# Altium PCB higgs.PcbDoc (part 20 of 25)
Units mm, origin at the board's own origin, x right, y up, seen from the top; angles counter-clockwise.
Board outline 160 x 160 mm, 15 copper layers (TOP, P1(GND), S1(V), P2(GND), S2(H), P3(GND), S3(V12/V2V5), S4(VDDR), P4(GND), S5(V), P5(GND), S6(H), P6(GND), P1(GND) (Plane1), BOT), stack 3.262 mm thick; 1283 components, 2419 nets, 11066 pads, 5487 vias.
Unrouted connection lines stored in the file: 239.
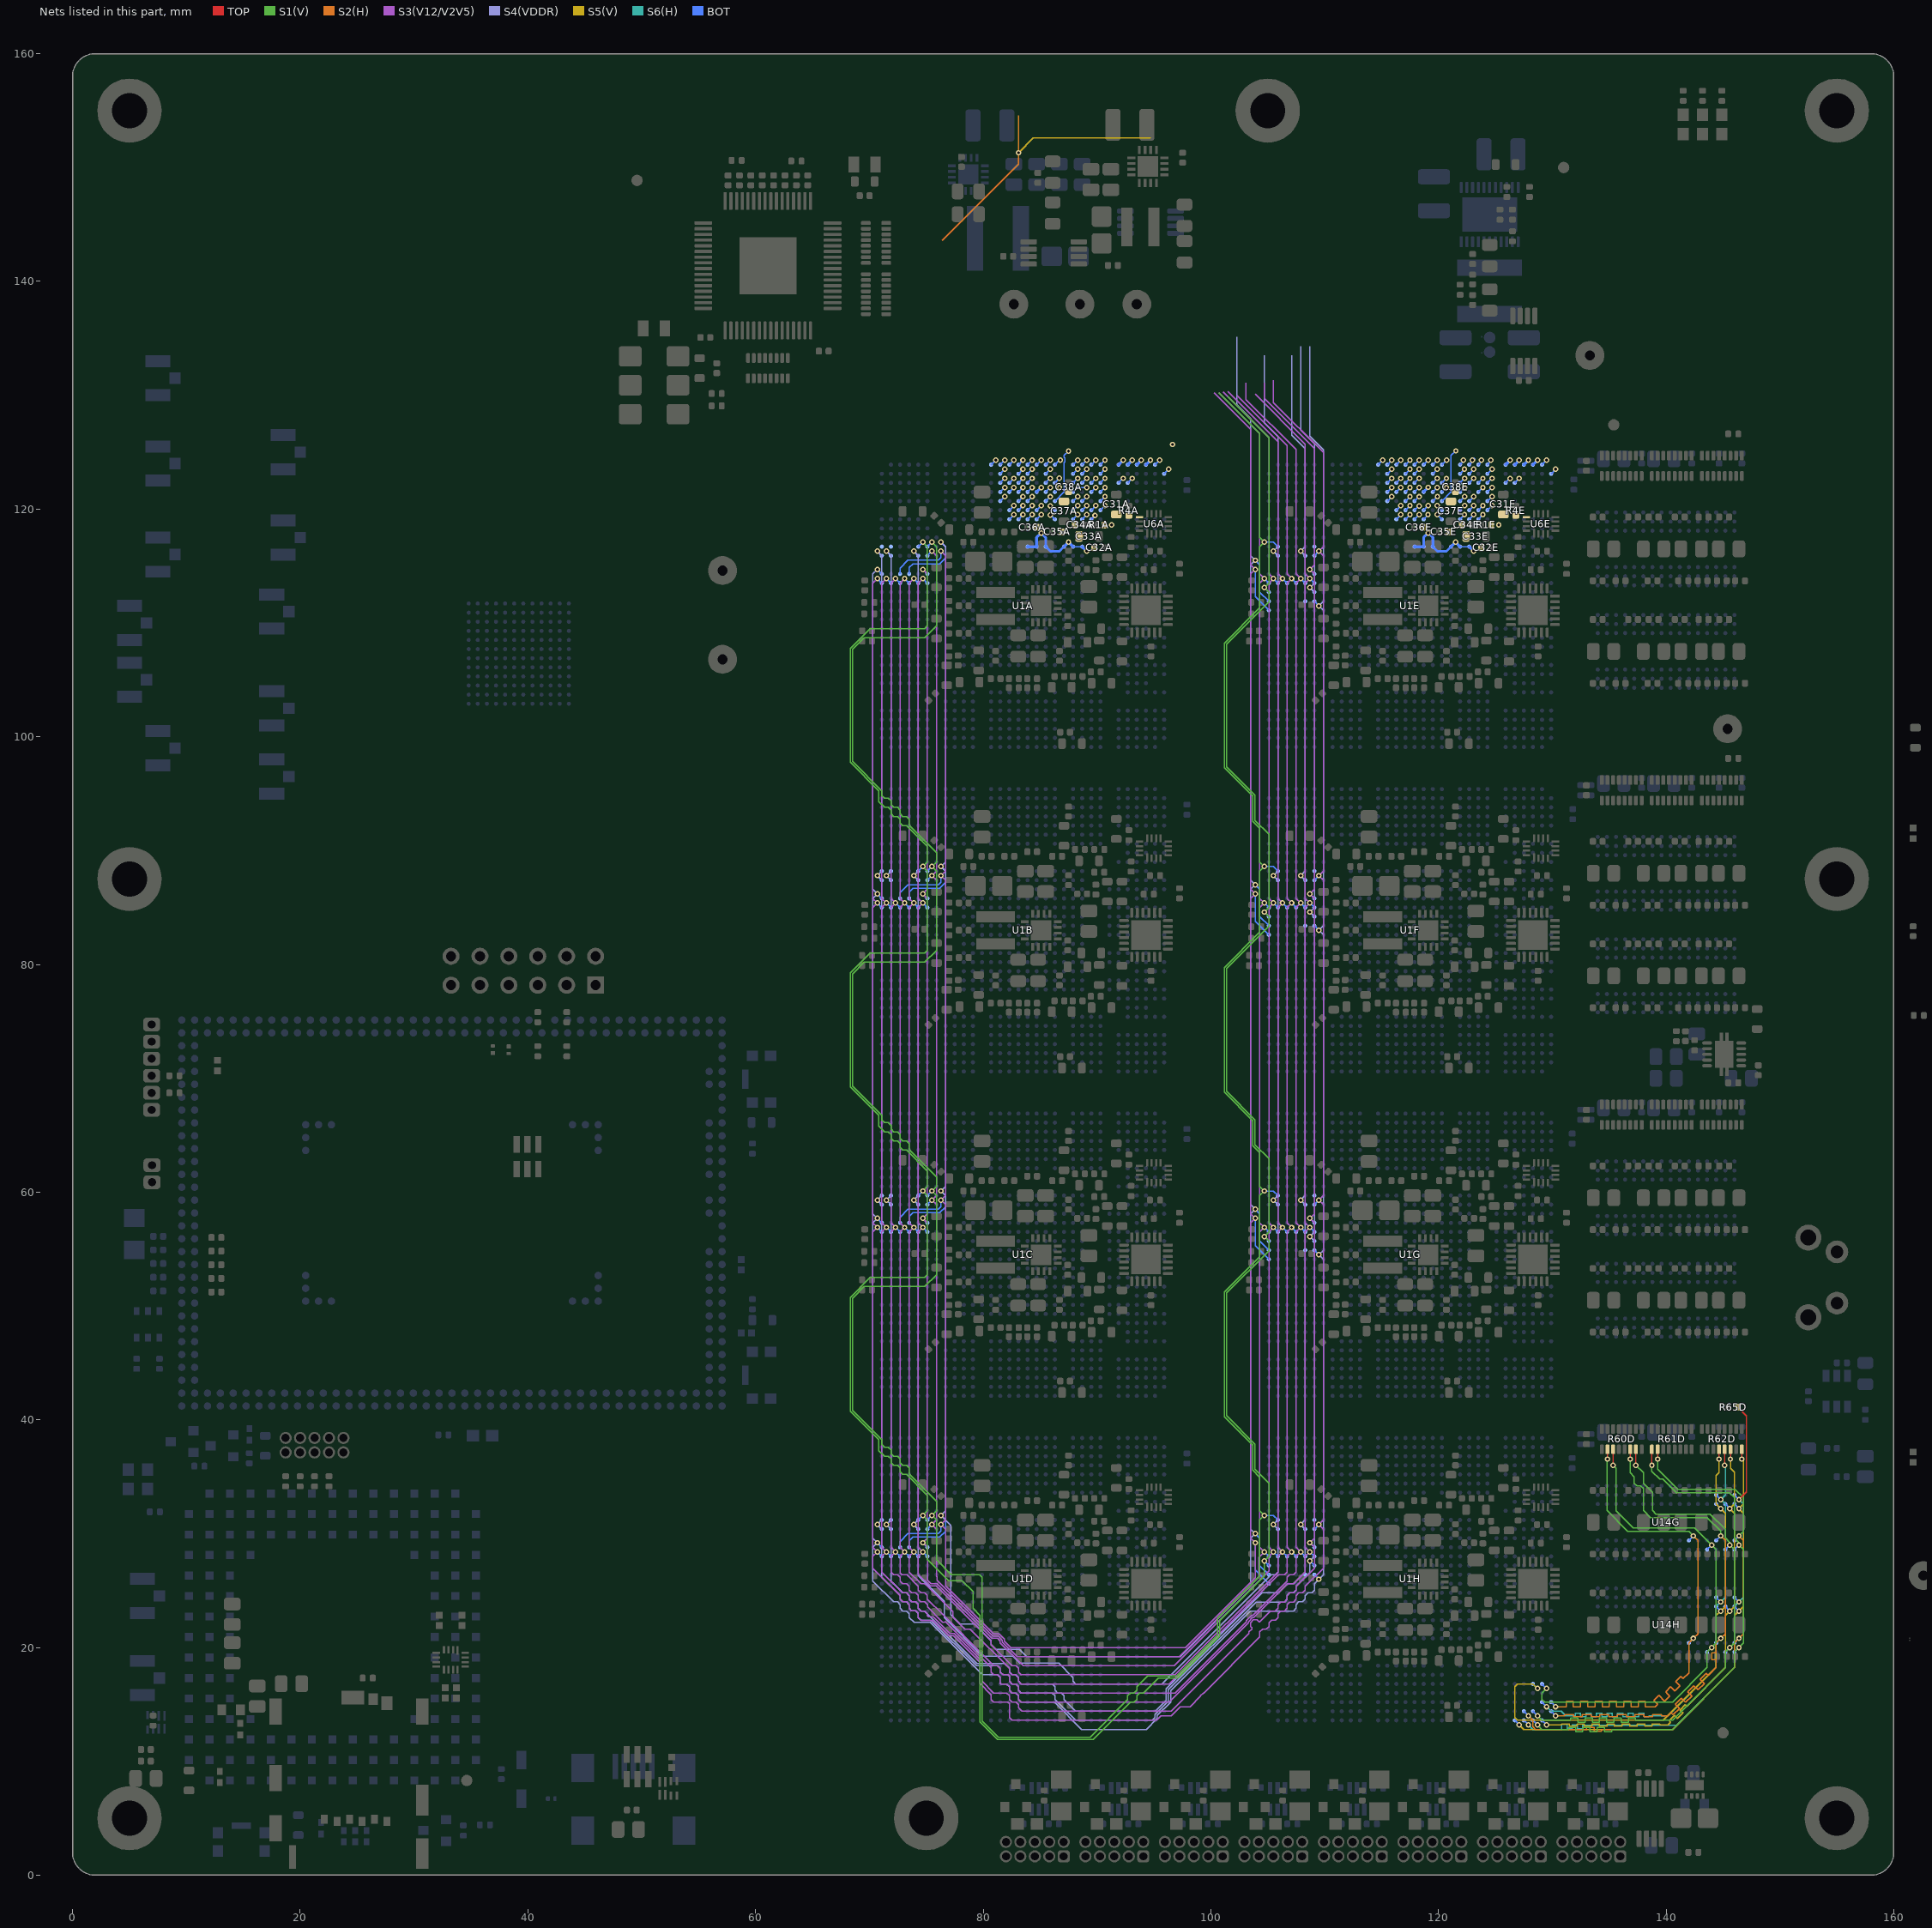
[diagram p33: the nets of this part, all layers, seen from the top]

## Via types
v1: diameter 0.483, hole 0.254, TOP to BOT, tented both sides, 5146 vias
v2: diameter 0.457, hole 0.254, TOP to BOT, tented both sides, 278 vias
v3: diameter 0.5, hole 0.25, TOP to BOT, 50 vias
v4: diameter 0.483/0/0/0/0.483/0/0/0.483 (per signal layer), hole 0.254, TOP to BOT, tented both sides, 7 vias
v5: diameter 0.483, hole 0.254, TOP to BOT, tented bottom, 5 vias
v6: diameter 0.483, hole 0.254, TOP to BOT, 1 vias

## Nets (pads, with @x,y where several pads share a name; then routed paths per layer and width w, separated by ;. In a path a pad name is that pad's centre, name@x,y a point inside that pad or via, vN(x,y) a via of type N, cw(c..) or ccw(c..) an arc to the next point about the centre after c; other vN are vias at no path point) (continued)
IL34_33.TB.G13.D1_N: R62D.4 U1H.AK28 U14G.P3 U14H.P3 | length 46.3
  TOP w0.102: v1(144.65,36.55) R62D.4@144.65,37.405
  S5(V) w0.102: v1(128.7,16.4) 128.301,16.799 126.935,16.799 126.701,16.565 126.701,13.835 126.935,13.601 127.699,13.601 ; v1(144.65,36.55) 144.65,35.349 144.4,35.1 144.4,33.1 144.401,32.6 v1(144.801,32.2) 145.201,31.8 145.201,23.6 v1(144.801,23.2) 144.4,22.8 144.4,18.234 139.767,13.6 127.7,13.6 ; 127.699,13.601 127.7,13.6
  BOT w0.102: U1H.AK28@128.3,16.8 v1(128.7,16.4) ; U14H.P3@144.401,23.6 v1(144.801,23.2) ; U14G.P3@144.401,32.6 v1(144.801,32.2)
IL34_33.TB.G13.D1_P: R60D.3 U1H.AL28 U14G.N8 U14H.N8 | length 45.1
  TOP w0.102: v1(135.35,36) R60D.3@135.35,37.405
  S1(V) w0.102: v1(129.5,16.4) 129.101,16.001 129.101,15.435 129.335,15.201 130.899,15.201 130.9,15.2 140.566,15.2 143.6,18.234 143.6,19.6 v1(144,20) 144.4,20.4 144.4,28.6 v1(144,29) 142.496,30.505 137.1,30.505 135.6,32.005 135.6,35.75 v1(135.35,36)
  BOT w0.102: U1H.AL28@129.1,16.8 v1(129.5,16.4) ; U14H.N8@143.6,19.6 v1(144,20) ; U14G.N8@143.6,28.6 v1(144,29)
IL34_33.TB.G13.D2_N: R65D.1 U1H.AJ32 U14G.T2 U14H.T2 | length 47.7
  TOP w0.102: R65D.1@146.345,41.08 147.074,40.351 147.074,33.674 v1(146.401,33)
  S6(H) w0.102: v1(127.9,13.2) 128.3,12.8 130.831,12.8 130.831,13.225 131.294,13.225 131.294,12.9 131.757,12.9 131.757,13.2 132.22,13.2 132.22,12.85 132.683,12.85 132.683,13.15 140.917,13.15 146.001,18.234 146.001,23.6 v1(146.401,24) 146.801,24.4 146.801,32.6 v1(146.401,33)
  BOT w0.102: U1H.AJ32@127.5,13.6 v1(127.9,13.2) ; U14H.T2@146.001,24.4 v1(146.401,24) ; U14G.T2@146.001,33.4 v1(146.401,33)
IL34_33.TB.G13.D2_P: R61D.1 U1H.AK32 U14G.T8 U14H.T8 | length 49.4
  TOP w0.102: v1(138.75,36) R61D.1@138.75,37.405
  S1(V) w0.102: v1(128.7,13.2) 129.1,12.8 131.416,12.8 131.416,12.99 132.049,12.99 132.049,12.61 132.682,12.61 132.682,12.99 133.315,12.99 133.315,12.61 133.948,12.61 133.948,12.99 134.581,12.99 134.581,12.61 135.214,12.61 135.214,12.8 140.567,12.8 146.001,18.234 146.001,19.6 v1(146.401,20) 146.801,20.4 146.801,28.6 v1(146.401,29) 146.401,29.234 146.001,29.634 146.001,29.9 146.001,33.166 145.567,33.6 140.9,33.6 139.7,34.8 139.431,34.8 138.75,35.481 v1(138.75,36)
  BOT w0.102: U1H.AK32@128.3,13.6 v1(128.7,13.2) ; U14H.T8@146.001,19.6 v1(146.401,20) ; U14G.T8@146.001,28.6 v1(146.401,29)
IL34_33.TB.G13.D3_N: R62D.5 U1H.AL30 U14G.P2 U14H.P2 | length 42.8
  TOP w0.102: v1(145.15,36) R62D.5@145.15,37.405
  S6(H) w0.102: v1(129.5,14.8) 129.9,14.4 130.8,14.4 131.2,14 132.031,14 132.031,14.21 132.494,14.21 132.494,13.905 132.957,13.905 132.957,14.21 133.42,14.21 133.42,13.905 133.883,13.905 133.883,14.21 134.346,14.21 134.346,13.905 134.809,13.905 134.809,14.21 135.272,14.21 135.272,13.905 135.735,13.905 135.735,14.21 136.198,14.21 136.198,13.905 136.661,13.905 136.661,14.21 137.124,14.21 137.124,13.905 137.587,13.905 137.587,14.21 138.05,14.21 138.05,13.905 138.513,13.905 138.513,14 140.167,14 144.4,18.234 144.4,23.6 v1(144.801,24) 145.201,24.4 145.201,32.6 v1(144.801,33) 145.201,33.4 145.201,35.949 v1(145.15,36)
  BOT w0.102: U1H.AL30@129.1,15.2 v1(129.5,14.8) ; U14H.P2@144.401,24.4 v1(144.801,24) ; U14G.P2@144.401,33.4 v1(144.801,33)
IL34_33.TB.G13.D3_P: R60D.2 U1H.AM30 U14G.L7 U14H.L7 | length 49.6
  TOP w0.102: v1(134.85,36.55) R60D.2@134.85,37.405
  S1(V) w0.102: v1@134.799,36.55 134.799,32.035 136.634,30.2 142,30.2 v1(142.4,29.8)
  S2(H) w0.102: v1(130.3,14.8) 131.216,14.8 131.216,15.26 131.849,15.26 131.849,14.8 132.482,14.8 132.482,15.26 133.115,15.26 133.115,14.8 133.748,14.8 133.748,15.26 134.381,15.26 134.381,14.8 135.014,14.8 135.014,15.26 135.647,15.26 135.647,14.8 136.28,14.8 136.28,15.26 136.913,15.26 136.913,14.8 137.546,14.8 137.546,15.26 138.179,15.26 138.179,14.8 139.025,14.8 139.249,15.024 138.924,15.349 139.371,15.797 139.882,15.286 140.329,15.734 140.144,15.919 139.962,16.101 140.41,16.549 140.592,16.367 140.777,16.181 141.225,16.629 141.039,16.814 140.857,16.996 141.305,17.444 141.487,17.262 142,17.775 142,18.375 142,20.4 v1(142.4,20.8) 142.8,21.2 142.8,29.4 v1(142.4,29.8)
  BOT w0.102: U1H.AM30@129.9,15.2 v1(130.3,14.8) ; U14H.L7@142,20.4 v1(142.4,20.8) ; U14G.L7@142,29.4 v1(142.4,29.8)
IL34_33.TB.G13.D4_N: R61D.2 U1H.AJ31 U14G.T7 U14H.T7 | length 49.5
  TOP w0.102: v1(139.25,36.55) R61D.2@139.25,37.405
  S1(V) w0.102: v1@139.3,36.55 139.25,36.5 139.25,35.681 141.026,33.905 146.062,33.905 146.801,33.166 146.801,30.2 v1(146.401,29.8)
  S2(H) w0.102: v1(127.9,14) 128.3,13.6 128.3,13.034 128.534,12.8 133.014,12.8 133.014,12.97 133.677,12.97 133.677,12.63 134.34,12.63 134.34,12.8 140.567,12.8 146.001,18.234 146.001,20.4 v1(146.401,20.8) 146.801,21.2 146.801,29.4 v1(146.401,29.8)
  BOT w0.102: U1H.AJ31@127.5,14.4 v1(127.9,14) ; U14H.T7@146.001,20.4 v1(146.401,20.8) ; U14G.T7@146.001,29.4 v1(146.401,29.8)
IL34_33.TB.G13.D4_P: R60D.7 U1H.AK31 U14G.R8 U14H.R8 | length 49.6
  TOP w0.102: v1(137.35,36) R60D.7@137.35,37.405
  S1(V) w0.102: v1(128.7,14) 129.1,13.6 131.616,13.6 131.616,13.79 132.249,13.79 132.249,13.41 132.882,13.41 132.882,13.79 133.515,13.79 133.515,13.41 134.148,13.41 134.148,13.79 134.781,13.79 134.781,13.41 135.414,13.41 135.414,13.79 136.047,13.79 136.047,13.41 136.68,13.41 136.68,13.79 137.313,13.79 137.313,13.6 140.567,13.6 145.201,18.234 145.201,19.6 v1(145.601,20) 146.001,20.4 146.001,28.6 v1(145.601,29) 145.601,29.234 145.201,29.634 145.201,29.8 145.201,30.4 143.877,31.724 139.111,31.724 138.8,32.035 138.8,33.635 138,34.435 138,35.35 v1(137.35,36)
  BOT w0.102: U1H.AK31@128.3,14.4 v1(128.7,14) ; U14H.R8@145.201,19.6 v1(145.601,20) ; U14G.R8@145.201,28.6 v1(145.601,29)
IL34_33.TB.G13.D5_N: R62D.6 U1H.AL32 U14G.R3 U14H.R3 | length 43
  TOP w0.102: v1(145.65,36.55) R62D.6@145.65,37.405
  S5(V) w0.102: v1(129.5,13.2) 130.831,13.2 130.831,13.295 131.494,13.295 131.494,13.105 132.157,13.105 132.157,13.295 132.82,13.295 132.82,13.105 133.483,13.105 133.483,13.295 134.146,13.295 134.146,13.105 134.809,13.105 134.809,13.295 135.472,13.295 135.472,13.105 136.135,13.105 136.135,13.295 136.798,13.295 136.798,13.105 137.461,13.105 137.461,13.295 138.124,13.295 138.124,13.105 138.787,13.105 138.787,13.295 139.45,13.295 139.45,13.2 140.167,13.2 140.401,13.434 140.274,13.562 140.743,14.031 140.87,13.903 140.997,13.776 141.466,14.245 141.339,14.372 141.211,14.499 141.68,14.968 141.807,14.841 145.201,18.234 145.201,22.8 v1(145.601,23.2) 146.001,23.6 146.001,31.8 v1(145.601,32.2) 146.001,32.6 146.001,35.399 145.65,35.75 v1(145.65,36.55)
  BOT w0.102: U1H.AL32@129.1,13.6 v1(129.5,13.2) ; U14H.R3@145.201,23.6 v1(145.601,23.2) ; U14G.R3@145.201,32.6 v1(145.601,32.2)
IL34_33.TB.G13.D5_P: R60D.6 U1H.AM31 U14G.P7 U14H.P7 | length 49.7
  TOP w0.102: v1(136.85,36.55) R60D.6@136.85,37.405
  S1(V) w0.102: v1@136.9,36.55 136.85,36.5 136.85,35.35 137.2,35 137.2,34.435 137.434,34.2 137.765,34.2 138,33.966 138,32.2 ; 138,32.2 138,32.035 138.615,31.419 143.612,31.419 144.801,30.231 v1(144.801,29.8)
  S2(H) w0.102: v1(130.3,14) 131.086,14 131.086,14.095 131.859,14.095 131.859,13.905 132.632,13.905 132.632,14.095 133.405,14.095 133.405,13.905 134.178,13.905 134.178,14.095 134.951,14.095 134.951,13.905 135.724,13.905 135.724,14.095 136.497,14.095 136.497,13.905 137.27,13.905 137.27,14.095 138.043,14.095 138.043,13.905 138.816,13.905 138.816,14.095 139.589,14.095 139.589,14 140.167,14 140.44,14.273 140.624,14.089 141.171,14.635 140.986,14.82 140.802,15.004 141.348,15.551 141.533,15.366 141.718,15.182 142.264,15.729 142.08,15.913 141.895,16.098 142.442,16.644 142.811,16.275 143.357,16.822 142.988,17.191 143.535,17.737 143.719,17.553 144.4,18.234 144.4,18.4 144.401,18.917 144.011,18.917 144.011,19.55 144.401,19.55 144.401,20.4 v1(144.801,20.8) 145.201,21.2 145.201,29.4 v1(144.801,29.8)
  BOT w0.102: U1H.AM31@129.9,14.4 v1(130.3,14) ; U14H.P7@144.401,20.4 v1(144.801,20.8) ; U14G.P7@144.401,29.4 v1(144.801,29.8)
IL34_33.TB.G13.D6: R62D.8 U1H.AH32 U14G.T3 U14H.T3 | length 42.9
  TOP w0.102: v1(146.65,36.55) R62D.8@146.65,37.405
  S5(V) w0.102: v1(127.1,13.2) 127.5,12.8 140.567,12.8 146.001,18.234 146.001,22.8 v1(146.401,23.2) 146.801,23.6 146.801,31.8 v1(146.401,32.2) 146.801,32.6 146.801,36.399 v1(146.65,36.55)
  BOT w0.102: U1H.AH32@126.7,13.6 v1(127.1,13.2) ; U14H.T3@146.001,23.6 v1(146.401,23.2) ; U14G.T3@146.001,32.6 v1(146.401,32.2)
IL68.LR.G0.D0E_N: U1E.P4 | length 0.6
  BOT w0.102: U1E.P4@115.5,121.5 v1(115.9,121.9)
IL68.LR.G0.D0E_P: U1E.P5 | length 0.6
  BOT w0.102: U1E.P5@115.5,120.7 v1(115.9,121.1)
IL68.LR.G0.D1E_N: U1E.T7 | length 0.6
  BOT w0.102: U1E.T7@117.1,119.1 v1(117.5,119.5)
IL68.LR.G0.D1E_P: U1E.R7 | length 0.6
  BOT w0.102: U1E.R7@116.3,119.1 v1(116.7,119.5)
IL68.LR.G0.D2E_N: U1E.T6 | length 0.6
  BOT w0.102: U1E.T6@117.1,119.9 v1(117.5,120.3)
IL68.LR.G0.D2E_P: U1E.R6 | length 0.6
  BOT w0.102: U1E.R6@116.3,119.9 v1(116.7,120.3)
IL68.LR.G0.D3E_N: U1E.U7 | length 0.6
  BOT w0.102: U1E.U7@117.9,119.1 v1(118.3,119.5)
IL68.LR.G0.D3E_P: U1E.U6 | length 0.6
  BOT w0.102: U1E.U6@117.9,119.9 118.306,120.306 118.308,120.304 v1(118.308,120.256)
IL68.LR.G0.D4E_N: U1E.U5 | length 0.6
  BOT w0.102: U1E.U5@117.9,120.7 118.281,121.081 v1(118.308,121.081)
IL68.LR.G0.D4E_P: U1E.T4 | length 0.6
  BOT w0.102: U1E.T4@117.1,121.5 v1(117.5,121.9)
IL68.LR.G0.SE_N: U1E.T5 | length 0.6
  BOT w0.102: U1E.T5@117.1,120.7 v1(117.5,121.1)
IL68.LR.G0.SE_P: U1E.R4 | length 0.6
  BOT w0.102: U1E.R4@116.3,121.5 v1(116.7,121.9)
IL68.LR.G1.D0E_N: U1E.P3 | length 0.6
  BOT w0.102: U1E.P3@115.5,122.3 v1(115.9,122.7)
IL68.LR.G1.D0E_P: U1E.P2 | length 0.5
  BOT w0.102: U1E.P2@115.5,123.1 115.525,123.1 v1@115.875,123.45
  other v1: 115.883,123.506
IL68.LR.G1.D1E_N: U1E.T3 | length 0.6
  BOT w0.102: U1E.T3@117.1,122.3 v1(117.5,122.7)
IL68.LR.G1.D1E_P: U1E.R3 | length 0.6
  BOT w0.102: U1E.R3@116.3,122.3 v1(116.7,122.7)
IL68.LR.G1.D2E_N: U1E.P1 | length 0.6
  BOT w0.102: U1E.P1@115.5,123.9 115.906,124.306 v1(115.883,124.306)
IL68.LR.G1.D2E_P: U1E.N1 | length 0.6
  BOT w0.102: U1E.N1@114.7,123.9 v1(115.1,124.3)
IL68.LR.G1.D3E_N: U1E.U3 | length 0.6
  BOT w0.102: U1E.U3@117.9,122.3 v1(118.3,122.7)
IL68.LR.G1.D3E_P: U1E.U2 | length 0.6
  BOT w0.102: U1E.U2@117.9,123.1 v1(118.3,123.5)
IL68.LR.G1.D4E_N: U1E.Y3 | length 0.6
  BOT w0.102: U1E.Y3@120.3,122.3 v1(120.7,122.7)
IL68.LR.G1.D4E_P: U1E.W3 | length 0.6
  BOT w0.102: U1E.W3@119.5,122.3 v1(119.9,122.7)
IL68.LR.G1.SE_N: U1E.T2 | length 0.6
  BOT w0.102: U1E.T2@117.1,123.1 v1(117.5,123.5)
IL68.LR.G1.SE_P: U1E.R1 | length 0.6
  BOT w0.102: U1E.R1@116.3,123.9 v1(116.7,124.3)
IL68.LR.G2.D0E_N: U1E.Y6 | length 0.6
  BOT w0.102: v1(119.9,120.3) U1E.Y6@120.3,119.9
IL68.LR.G2.D0E_P: U1E.Y7 | length 0.6
  BOT w0.102: v1(119.9,119.5) U1E.Y7@120.3,119.1
IL68.LR.G2.D1E_N: U1E.W5 | length 0.6
  BOT w0.102: U1E.W5@119.5,120.7 119.906,121.106 v1(119.908,121.106)
IL68.LR.G2.D1E_P: U1E.Y5 | length 4.9
  BOT w0.102: U1E.Y5@120.3,120.7 121.1,121.5 121.1,124.134 121.107,124.141 121.107,124.471 121.1,124.478 121.1,124.7 121.506,125.106 v1(121.533,125.106)
IL68.LR.G2.D2E_N: U1E.W4 | length 0.6
  BOT w0.102: U1E.W4@119.5,121.5 v1(119.9,121.9)
IL68.LR.G2.D2E_P: U1E.Y4 | length 0.6
  BOT w0.102: U1E.Y4@120.3,121.5 v1(120.7,121.9)
IL68.LR.G2.D3E_N: U1E.AC6 | length 0.6
  BOT w0.102: U1E.AC6@122.7,119.9 v1(123.1,120.3)
IL68.LR.G2.D3E_P: U1E.AB7 | length 0.6
  BOT w0.102: U1E.AB7@121.9,119.1 122.283,119.483 v1(122.283,119.506)
IL68.LR.G2.D4E_N: U1E.AD7 | length 0.6
  BOT w0.102: U1E.AD7@123.5,119.1 v1(123.9,119.5)
IL68.LR.G2.D4E_P: U1E.AC7 | length 0.6
  BOT w0.102: U1E.AC7@122.7,119.1 v1(123.1,119.5)
IL68.LR.G2.SE_N: U1E.AB6 | length 0.6
  BOT w0.102: U1E.AB6@121.9,119.9 v1(122.3,120.3)
IL68.LR.G2.SE_P: U1E.AB5 | length 0.6
  BOT w0.102: U1E.AB5@121.9,120.7 v1(122.3,121.1)
IL68.LR.G3.D0E_N: U1E.AB4 | length 0.6
  BOT w0.102: U1E.AB4@121.9,121.5 v1(122.3,121.9)
IL68.LR.G3.D0E_P: U1E.AB3 | length 0.6
  BOT w0.102: U1E.AB3@121.9,122.3 v1(122.3,122.7)
IL68.LR.G3.D1E_N: U1E.AD4 | length 0.6
  BOT w0.102: U1E.AD4@123.5,121.5 v1(123.9,121.9)
IL68.LR.G3.D1E_P: U1E.AC5 | length 0.6
  BOT w0.102: U1E.AC5@122.7,120.7 v1(123.1,121.1)
IL68.LR.G3.D2E_N: U1E.Y1 | length 0.6
  BOT w0.102: U1E.Y1@120.3,123.9 120.706,124.306 v1(120.708,124.306)
IL68.LR.G3.D2E_P: U1E.W2 | length 0.6
  BOT w0.102: U1E.W2@119.5,123.1 v1(119.9,123.5)
IL68.LR.G3.D3E_N: U1E.AE3 | length 0.6
  BOT w0.102: U1E.AE3@124.3,122.3 v1(124.7,122.7)
IL68.LR.G3.D3E_P: U1E.AD3 | length 0.6
  BOT w0.102: U1E.AD3@123.5,122.3 v1(123.9,122.7)
IL68.LR.G3.D4E_N: U1E.AE2 | length 0.6
  BOT w0.102: U1E.AE2@124.3,123.1 v1(124.7,123.5)
IL68.LR.G3.D4E_P: U1E.AC2 | length 0.6
  BOT w0.102: U1E.AC2@122.7,123.1 v1(123.1,123.5)
IL68.LR.G3.SE_N: U1E.AB2 | length 0.6
  BOT w0.102: U1E.AB2@121.9,123.1 122.283,123.483 v1(122.283,123.506)
IL68.LR.G3.SE_P: U1E.AC3 | length 0.6
  BOT w0.102: U1E.AC3@122.7,122.3 v1(123.1,122.7)
IL68.LR.VTTE: C37E.2 C38E.2 U1E.V4 | length 1.1
  BOT w0.254: 84.7,121.5 v1(85.1,121.9) ; U1E.V4@118.7,121.5 119.1,121.9 v1(119.1,121.904)
  other v1: 96.65,125.675
IL68.TB.G8.D0E_N: U1E.AH1 | length 0.6
  BOT w0.254: U1E.AH1@126.7,123.9 v1(127.1,124.3)
IL68.TB.G8.D0E_P: U1E.AG1 | length 0.6
  BOT w0.254: U1E.AG1@125.9,123.9 126.306,124.306 v1(126.283,124.306)
IL68.TB.G8.D1E_N: U1E.AK1 | length 0.6
  BOT w0.254: U1E.AK1@128.3,123.9 v1(128.7,124.3)
IL68.TB.G8.D1E_P: U1E.AJ1 | length 0.6
  BOT w0.254: U1E.AJ1@127.5,123.9 v1(127.9,124.3)
IL68.TB.G8.D2E_N: U1E.AM2 | length 0.6
  BOT w0.102: U1E.AM2@129.9,123.1 v1(130.3,123.5)
IL68.TB.G8.D2E_P: U1E.AL1 | length 0.6
  BOT w0.102: U1E.AL1@129.1,123.9 v1(129.5,124.3)
IL68.TB.G8.D3E_N: U1E.AH3 | length 0.6
  BOT w0.102: U1E.AH3@126.7,122.3 v1(127.1,122.7)
IL68.TB.G8.D3E_P: U1E.AG3 | length 0.7
  BOT w0.102: U1E.AG3@125.9,122.35 U1E.AG3@125.9,122.3 126.306,122.706 126.308,122.704 v1(126.308,122.681)
IL68.TB.G13.CE_N: U1E.AE1 | length 0.7
  BOT w0.102: U1E.AE1@124.3,123.9 124.608,124.208 v1@124.516,124.3 ; v1@124.51,124.306 v1@124.516,124.3 ; v1@124.535,124.331 v1@124.541,124.325 ; v1(124.6,124.3) 124.566,124.3 v1@124.541,124.325 ; v1@124.516,124.3 v1@124.541,124.325
IL68.TB.G13.CE_P: U1E.AD1 | length 0.6
  BOT w0.102: U1E.AD1@123.5,123.9 123.808,124.208 v1@123.716,124.3 ; v1@123.71,124.306 v1@123.716,124.3 ; v1(123.783,124.306) 123.722,124.306 v1@123.716,124.3
IL68.TB.G13.D0E_N: U1E.U1 | length 0.6
  BOT w0.102: U1E.U1@117.9,123.9 v1(118.3,124.3)
IL68.TB.G13.D0E_P: U1E.T1 | length 0.6
  BOT w0.102: U1E.T1@117.1,123.9 v1(117.5,124.3)
IL68.TB.G13.D1E_N: U1E.W1 | length 0.6
  BOT w0.102: U1E.W1@119.5,123.9 119.883,124.283 119.86,124.306 119.878,124.325 119.9,124.303 v1(119.9,124.3)
IL68.TB.G13.D1E_P: U1E.V1 | length 0.6
  BOT w0.102: U1E.V1@118.7,123.9 v1(119.1,124.3)
IL68.TB.G13.D2E_N: U1E.AE6 | length 0.6
  BOT w0.102: U1E.AE6@124.3,119.9 v1(124.7,120.3)
IL68.TB.G13.D2E_P: U1E.AD6 | length 0.6
  BOT w0.102: U1E.AD6@123.5,119.9 v1(123.9,120.3)
IL68.TB.G13.D3E_N: U1E.AE4 | length 0.6
  BOT w0.102: U1E.AE4@124.3,121.5 v1(124.7,121.9)
IL68.TB.G13.D3E_P: U1E.AE5 | length 0.6
  BOT w0.102: U1E.AE5@124.3,120.7 v1(124.7,121.1)
IL68.TB.G13.D4E_N: U1E.AC1 | length 1.3
  BOT w0.102: U1E.AC1@122.7,123.9 123.008,124.208 122.91,124.306 123.1,124.496 123.225,124.371 123.16,124.306 v1(122.983,124.306)
IL68.TB.G13.D4E_P: U1E.AB1 | length 0.7
  BOT w0.102: U1E.AB1@121.9,123.9 122.208,124.208 122.11,124.306 122.129,124.325 122.148,124.306 v1(122.183,124.306)
IL68.TB.G13.D5E_N: U1E.V7 | length 0.6
  BOT w0.102: U1E.V7@118.7,119.1 119.083,119.483 v1(119.083,119.506)
IL68.TB.G13.D5E_P: U1E.V6 | length 0.6
  BOT w0.102: U1E.V6@118.7,119.9 119.106,120.306 v1(119.108,120.306)
IL68.TB.G13.D6E: U1E.U4 | length 0.6
  BOT w0.102: U1E.U4@117.9,121.5 v1(118.3,121.9)
IL68.VIOLRE: C33E.2 C34E.2 C35E.2 C36E.2 U1E.AA10 U1E.U10 U1E.V10 U1E.W10 | length 15.9
  BOT w0.102: 87.9,116.7 88.7,116.7 ; 121.9,116.7 122.7,116.7
  BOT w0.203: 85.5,116.7 85.911,116.289 86.689,116.289 87.1,116.7 ; U1E.W10@119.5,116.7 119.911,116.289 120.689,116.289 U1E.AA10@121.1,116.7
  BOT w0.254: 83.9,116.7 84.7,116.7 84.7,117.5 v1(85.1,117.9) 85.5,117.5 85.5,116.7 ; 87.1,116.7 v1(87.5,117.1) 87.9,116.7 ; 88.7,116.7 v1(89.1,116.3) ; U1E.U10@117.9,116.7 U1E.V10@118.7,116.7 118.7,117.5 v1(119.1,117.9) 119.5,117.5 U1E.W10@119.5,116.7 ; U1E.AA10@121.1,116.7 v1(121.5,117.1) 121.9,116.7 ; 122.7,116.7 v1(123.1,116.3)
  other v1: 91.3,118.6 125.3,118.6
IL68.VIOTBE: C31E.2 C32E.2 R1E.2 R4E.2 U1E.AB10 U1E.AC10 U6E.13
IL68_10.LR.VTT: NT10.A | length 25.9
  S2(H) w0.102: 76.4,143.6 83.1,150.3 v1(83.1,151.3) 83.1,154.544
  S5(V) w0.1: v1(83.1,151.3) 84.4,152.6 94.7,152.6
IL68_10.VIOLR: NT11.A
IL68_30.LR.VTT: NT8.A
IL68_30.VIOLR: NT9.A
IL68_FPGA20.LR.G0.D0_N: U1A.P4 | length 0.6
  BOT w0.102: U1A.P4@81.5,121.5 v1(81.9,121.9)
IL68_FPGA20.LR.G0.D0_P: U1A.P5 | length 0.6
  BOT w0.102: U1A.P5@81.5,120.7 v1(81.9,121.1)
IL68_FPGA20.LR.G0.D1_N: U1A.T7 | length 0.6
  BOT w0.102: U1A.T7@83.1,119.1 v1(83.5,119.5)
IL68_FPGA20.LR.G0.D1_P: U1A.R7 | length 0.6
  BOT w0.102: U1A.R7@82.3,119.1 v1(82.7,119.5)
IL68_FPGA20.LR.G0.D2_N: U1A.T6 | length 0.6
  BOT w0.102: U1A.T6@83.1,119.9 v1(83.5,120.3)
IL68_FPGA20.LR.G0.D2_P: U1A.R6 | length 0.6
  BOT w0.102: U1A.R6@82.3,119.9 v1(82.7,120.3)
IL68_FPGA20.LR.G0.D3_N: U1A.U7 | length 0.6
  BOT w0.102: U1A.U7@83.9,119.1 v1(84.3,119.5)
IL68_FPGA20.LR.G0.D3_P: U1A.U6 | length 0.6
  BOT w0.102: U1A.U6@83.9,119.9 v1(84.3,120.3)
IL68_FPGA20.LR.G0.D4_N: U1A.U5 | length 0.6
  BOT w0.102: U1A.U5@83.9,120.7 v1(84.3,121.1)
IL68_FPGA20.LR.G0.D4_P: U1A.T4 | length 0.6
  BOT w0.102: U1A.T4@83.1,121.5 v1(83.5,121.9)
IL68_FPGA20.LR.G0.S_N: U1A.T5 | length 0.6
  BOT w0.102: U1A.T5@83.1,120.7 v1(83.5,121.1)
IL68_FPGA20.LR.G0.S_P: U1A.R4 | length 0.6
  BOT w0.102: U1A.R4@82.3,121.5 v1(82.7,121.9)
IL68_FPGA20.LR.G1.D0_N: U1A.P3 | length 0.6
  BOT w0.102: U1A.P3@81.5,122.3 v1(81.9,122.7)
IL68_FPGA20.LR.G1.D0_P: U1A.P2 | length 0.6
  BOT w0.102: U1A.P2@81.5,123.1 v1(81.9,123.5)
IL68_FPGA20.LR.G1.D1_N: U1A.T3 | length 0.6
  BOT w0.102: U1A.T3@83.1,122.3 v1(83.5,122.7)
IL68_FPGA20.LR.G1.D1_P: U1A.R3 | length 0.6
  BOT w0.102: U1A.R3@82.3,122.3 v1(82.7,122.7)
IL68_FPGA20.LR.G1.D2_N: U1A.P1 | length 0.6
  BOT w0.102: U1A.P1@81.5,123.9 v1(81.9,124.3)
IL68_FPGA20.LR.G1.D2_P: U1A.N1 | length 0.6
  BOT w0.102: U1A.N1@80.7,123.9 v1(81.1,124.3)
IL68_FPGA20.LR.G1.D3_N: U1A.U3 | length 0.6
  BOT w0.102: U1A.U3@83.9,122.3 v1(84.3,122.7)
IL68_FPGA20.LR.G1.D3_P: U1A.U2 | length 0.6
  BOT w0.102: U1A.U2@83.9,123.1 v1(84.3,123.5)
IL68_FPGA20.LR.G1.D4_N: U1A.Y3 | length 0.6
  BOT w0.102: U1A.Y3@86.3,122.3 86.7,122.7 v1(86.7,122.704)
IL68_FPGA20.LR.G1.D4_P: U1A.W3 | length 0.6
  BOT w0.102: U1A.W3@85.5,122.3 v1(85.9,122.7)
IL68_FPGA20.LR.G1.S_N: U1A.T2 | length 0.6
  BOT w0.102: U1A.T2@83.1,123.1 v1(83.5,123.5)
IL68_FPGA20.LR.G1.S_P: U1A.R1 | length 0.6
  BOT w0.102: U1A.R1@82.3,123.9 v1(82.7,124.3)
IL68_FPGA20.LR.G2.D0_N: U1A.Y6 | length 0.6
  BOT w0.102: v1(85.906,120.281) 85.919,120.281 U1A.Y6@86.3,119.9
IL68_FPGA20.LR.G2.D0_P: U1A.Y7 | length 0.6
  BOT w0.102: v1(85.906,119.481) 85.919,119.481 U1A.Y7@86.3,119.1
IL68_FPGA20.LR.G2.D1_N: U1A.W5 | length 0.6
  BOT w0.102: U1A.W5@85.5,120.7 85.881,121.081 v1(85.906,121.081)
IL68_FPGA20.LR.G2.D1_P: U1A.Y5 | length 5